# Altium PCB nPOC-BB_gamma_main-board.PcbDoc (part 1 of 3) (continued)
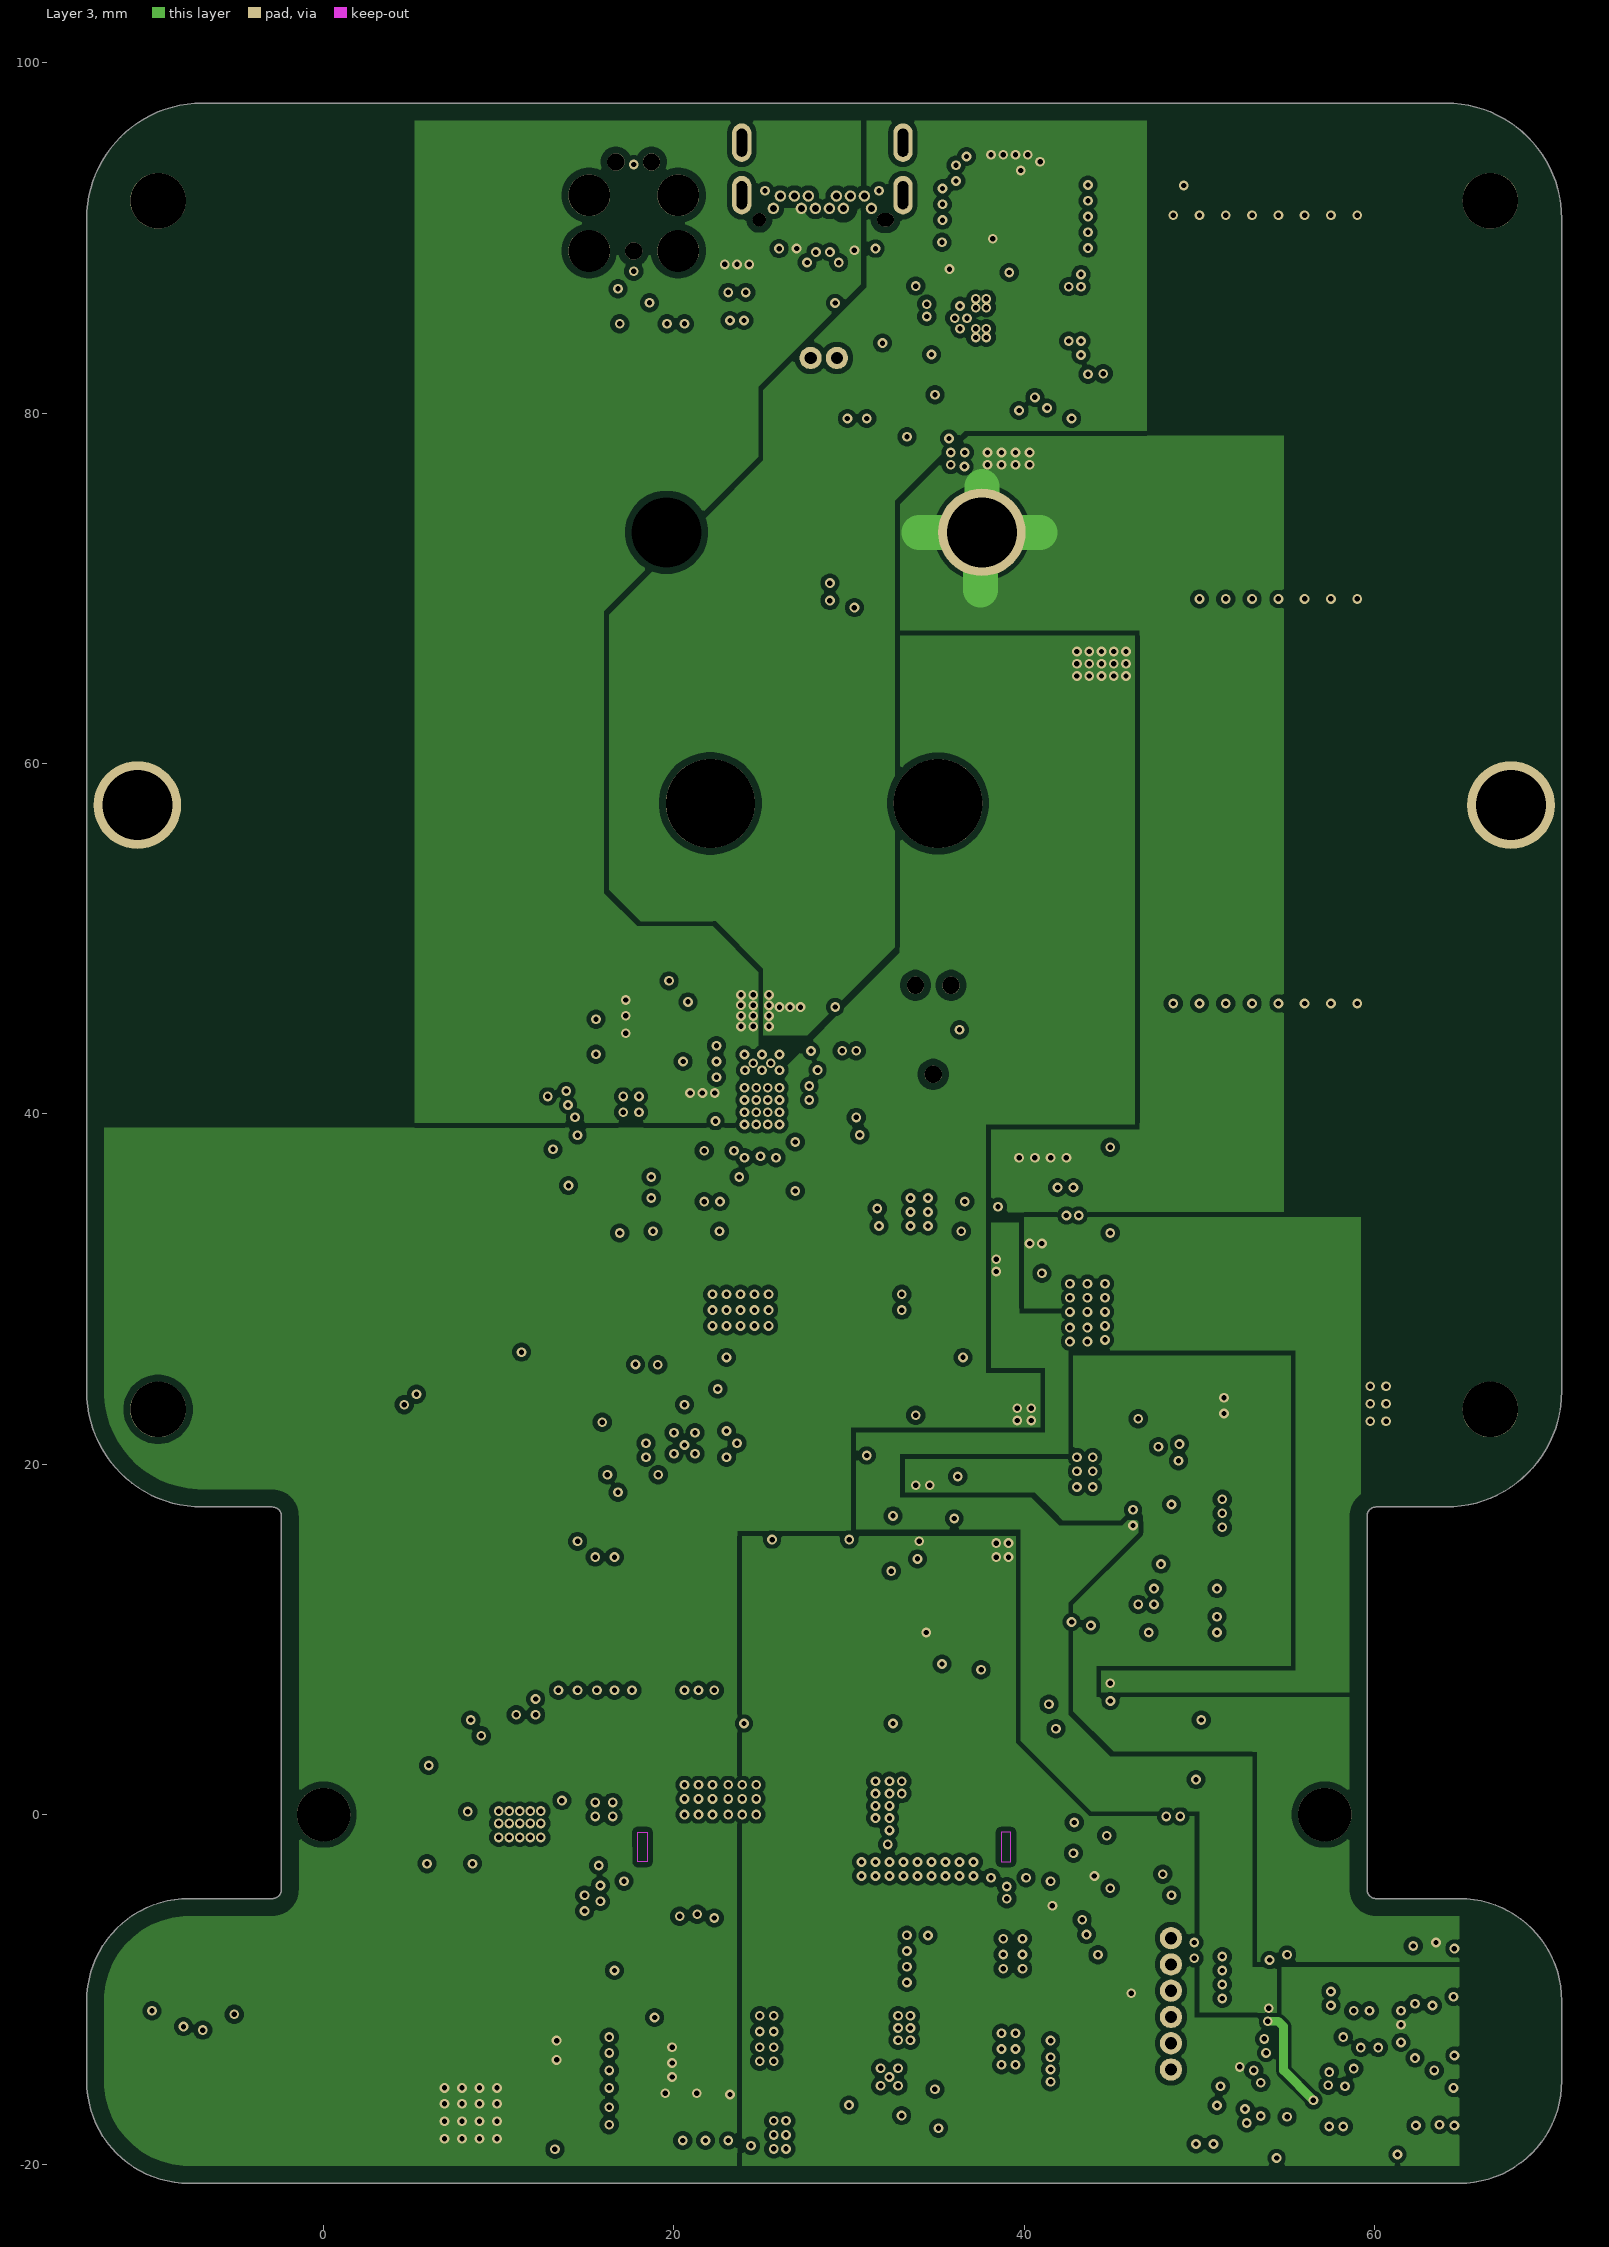
[diagram p3: Layer 3]
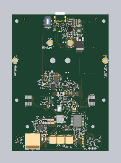
[diagram p6: 3D render of the assembled board from above, using the file's embedded part models]
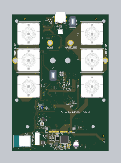
[diagram p7: 3D render of the assembled board from below, using the file's embedded part models]

## Layer stack, top to bottom
Top Solder Mask: solder mask 0.0232, SM-003, Dk 4
Top Layer: signal copper 0.035
Dielectric 2: prepreg 0.1104, PP-023, Dk 4.5
Layer 2: signal copper 0.035
Dielectric 1: prepreg 1.1676, PP-023, Dk 4.5
Layer 3: signal copper 0.035
Dielectric 3: prepreg 0.1104, PP-023, Dk 4.5
Bottom Layer: signal copper 0.035
Bottom Solder Mask: solder mask 0.0232, SM-003, Dk 4

## Board outline
-7.683,-21.046 cw(c-7.683,-15.204) -13.525,-15.204 -13.525,-10.632 cw(c-7.683,-10.632) -7.683,-4.79 -2.921,-4.79 ccw(c-2.921,-4.282) -2.413,-4.282 -2.413,17.054 ccw(c-2.921,17.054) -2.921,17.562 -6.921,17.562 cw(c-6.922,24.166) -13.525,24.166 -13.525,91.095 cw(c-6.922,91.095) -6.921,97.699 64.072,97.699 cw(c64.072,91.095) 70.675,91.095 70.675,24.166 cw(c64.071,24.166) 64.072,17.562 60.071,17.562 ccw(c60.071,17.054) 59.563,17.054 59.563,-4.282 ccw(c60.071,-4.282) 60.071,-4.79 64.834,-4.79 cw(c64.833,-10.632) 70.675,-10.632 70.675,-15.204 cw(c64.833,-15.204) 64.833,-21.046

## Design rules (kind name [scope] priority, off if disabled: settings)
BoardOutlineClearance [All] p1: gap=0.254 ignorepadtopadclearanceinfootprint=FALSE except(0: Arc-SplitContinuation Track-SplitContinuation SMDPad-SplitContinuation THPad-SplitContinuation Via-SplitContinuation Fill-SplitContinuation Poly-SplitContinuation Region-SplitContinuation Text-SplitContinuation; 0.381: Poly-CutoutEdge; 1: Arc-OutlineEdge Track-OutlineEdge SMDPad-OutlineEdge THPad-OutlineEdge Via-OutlineEdge Fill-OutlineEdge Poly-OutlineEdge Region-OutlineEdge Text-OutlineEdge)
Clearance [All] p1: gap=0.127 ignorepadtopadclearanceinfootprint=FALSE except(0.013: Arc-THPad Track-THPad SMDPad-THPad THPad-THPad; 0.1: Arc-SMDPad Track-SMDPad SMDPad-SMDPad; 0.15: Via-Via; 0.178: Arc-Text Arc-Hole Track-Text Track-Hole SMDPad-Text SMDPad-Hole THPad-Text THPad-Hole Via-Text; 0.2: Arc-Fill Arc-Poly Arc-Region Track-Fill Track-Poly Track-Region; 0.25: Via-Hole Text-Hole; 0.254: Text-Text; 0.3: THPad-Fill THPad-Poly THPad-Region Fill-Fill Fill-Poly Fill-Region Poly-Poly Poly-Region Region-Region; 0.381: Fill-Text Fill-Hole Poly-Text Poly-Hole Region-Text Region-Hole)
DiffPairsRouting DiffPairsRouting_100ohm [InDifferentialPair('DifferentialPair_100ohm') or InDifferentialPair('NewDifferentialPair3_100ohm') or InDifferentialPair('NewDifferentialPair_100ohm')] p1: maxlimit=0.254 minlimit=0.127 mostfreqgap=0.254 toplayer_maxgap=0.127 toplayer_prefgap=0.127 toplayer_minwidth=0.102 toplayer_maxwidth=0.102 toplayer_prefwidth=0.102 midlayer1_mingap=0.254 midlayer1_minwidth=0.381 midlayer1_maxwidth=0.381 midlayer1_prefwidth=0.381 midlayer2_mingap=0.254 midlayer2_minwidth=0.381 midlayer2_maxwidth=0.381 midlayer2_prefwidth=0.381 bottomlayer_maxgap=0.127 bottomlayer_prefgap=0.127 bottomlayer_minwidth=0.102 bottomlayer_maxwidth=0.102 bottomlayer_prefwidth=0.102 maxuncoupledlength=12.7
DiffPairsRouting DiffPairsRouting_90ohm [All] p2: maxlimit=0.127 minlimit=0.127 mostfreqgap=0.127 toplayer_minwidth=0.127 toplayer_maxwidth=0.127 toplayer_prefwidth=0.127 midlayer1_minwidth=0.127 midlayer1_maxwidth=0.127 midlayer1_prefwidth=0.127 midlayer2_minwidth=0.127 midlayer2_maxwidth=0.127 midlayer2_prefwidth=0.127 bottomlayer_minwidth=0.127 bottomlayer_maxwidth=0.127 bottomlayer_prefwidth=0.127 maxuncoupledlength=12.7
Height [All] p1: minheight=0 maxheight=200 prefheight=12.7
HoleSize [All] p1: absolutevalues=TRUE maxlimit=5.08 minlimit=0.025 maxpercent=80.000 minpercent=20.000
MinimumSolderMaskSliver [All] p1: minsoldermaskwidth=0.1
PolygonConnect PolygonConnect_5 [All vs IsNamedPolygon('NONET_L-01_P-001')] p1: thpad.connectstyle=Relief thpad.reliefconductorwidth=2 thpad.reliefentries=4 thpad.polygonreliefangle="90 Angle" thpad.airgapwidth=0.5 smdpad.connectstyle=Direct smdpad.reliefconductorwidth=0.254 smdpad.reliefentries=4 smdpad.polygonreliefangle="90 Angle" smdpad.airgapwidth=0.254 via.connectstyle=Direct via.reliefconductorwidth=0.254 via.reliefentries=4 via.polygonreliefangle="90 Angle" via.airgapwidth=0.254
PolygonConnect PolygonConnect_4 [All vs IsNamedPolygon('NONET_L-01_P-001')] p2: thpad.connectstyle=Relief thpad.reliefconductorwidth=0.254 thpad.reliefentries=4 thpad.polygonreliefangle="45 Angle" thpad.airgapwidth=0.254 smdpad.connectstyle=Direct smdpad.reliefconductorwidth=0.254 smdpad.reliefentries=4 smdpad.polygonreliefangle="90 Angle" smdpad.airgapwidth=0.254 via.connectstyle=Direct via.reliefconductorwidth=0.254 via.reliefentries=4 via.polygonreliefangle="90 Angle" via.airgapwidth=0.254
PolygonConnect PolygonConnect_3 [All vs IsNamedPolygon('direct')] p3: thpad.connectstyle=Relief thpad.reliefconductorwidth=0.254 thpad.reliefentries=4 thpad.polygonreliefangle="90 Angle" thpad.airgapwidth=0.254 smdpad.connectstyle=Direct smdpad.reliefconductorwidth=0.254 smdpad.reliefentries=4 smdpad.polygonreliefangle="90 Angle" smdpad.airgapwidth=0.254 via.connectstyle=Direct via.reliefconductorwidth=0.254 via.reliefentries=4 via.polygonreliefangle="90 Angle" via.airgapwidth=0.254
PolygonConnect direct_1 [All vs IsNamedPolygon('NONET_L-01_P-001')] p4: thpad.connectstyle=Relief thpad.reliefconductorwidth=0.254 thpad.reliefentries=4 thpad.polygonreliefangle="90 Angle" thpad.airgapwidth=0.254 smdpad.connectstyle=Direct smdpad.reliefconductorwidth=0.254 smdpad.reliefentries=4 smdpad.polygonreliefangle="90 Angle" smdpad.airgapwidth=0.254 via.connectstyle=Direct via.reliefconductorwidth=0.254 via.reliefentries=4 via.polygonreliefangle="90 Angle" via.airgapwidth=0.254
PolygonConnect direct [All vs IsNamedPolygon('NONET_L-01_P-001')] p5: thpad.connectstyle=Relief thpad.reliefconductorwidth=0.254 thpad.reliefentries=4 thpad.polygonreliefangle="90 Angle" thpad.airgapwidth=0.254 smdpad.connectstyle=Direct smdpad.reliefconductorwidth=0.254 smdpad.reliefentries=4 smdpad.polygonreliefangle="90 Angle" smdpad.airgapwidth=0.254 via.connectstyle=Direct via.reliefconductorwidth=0.254 via.reliefentries=4 via.polygonreliefangle="90 Angle" via.airgapwidth=0.254
PolygonConnect PolygonConnect_2 [All vs IsNamedPolygon('NONET_L-01_P-001')] p6: thpad.connectstyle=Relief thpad.reliefconductorwidth=0.254 thpad.reliefentries=4 thpad.polygonreliefangle="90 Angle" thpad.airgapwidth=0.254 smdpad.connectstyle=Direct smdpad.reliefconductorwidth=0.254 smdpad.reliefentries=4 smdpad.polygonreliefangle="90 Angle" smdpad.airgapwidth=0.254 via.connectstyle=Direct via.reliefconductorwidth=0.254 via.reliefentries=4 via.polygonreliefangle="90 Angle" via.airgapwidth=0.254
PolygonConnect PolygonConnect_1 [All vs IsNamedPolygon('GND_L02_P000')] p7: thpad.connectstyle=Relief thpad.reliefconductorwidth=0.254 thpad.reliefentries=4 thpad.polygonreliefangle="90 Angle" thpad.airgapwidth=0.254 smdpad.connectstyle=Relief smdpad.reliefconductorwidth=0.254 smdpad.reliefentries=4 smdpad.polygonreliefangle="90 Angle" smdpad.airgapwidth=0.254 via.connectstyle=Direct via.reliefconductorwidth=0.254 via.reliefentries=4 via.polygonreliefangle="90 Angle" via.airgapwidth=0.254
PolygonConnect [All] p8: connectstyle=Relief reliefconductorwidth=0.254 reliefentries=4 polygonreliefangle="90 Angle" airgapwidth=0.254
RoutingVias [All] p1: holewidth=0.305 width=0.559 viastyle="Through Hole" minholewidth=0.2 minwidth=0.4 maxholewidth=0.305 maxwidth=0.559
SilkToSilkClearance [All] p1: silktosilkclearance=0.102
SilkToSolderMaskClearance [IsPad] p1: minsilkscreentomaskgap=0.102 clearancetoexposedcopper=TRUE
SolderMaskExpansion [All] p1: expansion=0.064 istentingtop=FALSE
SupplyNets "Schematic Supply Nets" [InNet('VBAT_SW')] p1: voltage=0.000
SupplyNets "Schematic Supply Nets_5" [InNet('VBAT_MID')] p2: voltage=0.000
SupplyNets "Schematic Supply Nets_4" [InNet('3V3_FG_RTC')] p3: voltage=0.000
SupplyNets "Schematic Supply Nets_28" [InNet('3V3_PD')] p4: voltage=0.000
SupplyNets "Schematic Supply Nets_27" [InNet('GND_SNS_N')] p5: voltage=0.000
SupplyNets "Schematic Supply Nets_26" [InNet('3V3_R')] p6: voltage=0.000
SupplyNets "Schematic Supply Nets_24" [InNet('HEATER_PWR')] p7: voltage=0.000
SupplyNets "Schematic Supply Nets_23" [InNet('HEATER_CATHODE')] p8: voltage=0.000
SupplyNets "Schematic Supply Nets_22" [InNet('GND_CHG_DSG')] p9: voltage=0.000
SupplyNets "Schematic Supply Nets_21" [InNet('3V3_SW')] p10: voltage=0.000
SupplyNets "Schematic Supply Nets_20" [InNet('VBUS')] p11: voltage=0.000
SupplyNets "Schematic Supply Nets_19" [InNet('3V3_FLASH')] p12: voltage=0.000
SupplyNets "Schematic Supply Nets_18" [InNet('MOTOR_CATHODE')] p13: voltage=0.000
SupplyNets "Schematic Supply Nets_16" [InNet('BQ_IN')] p14: voltage=0.000
SupplyNets "Schematic Supply Nets_15" [InNet('BATT_GND')] p15: voltage=0.000
SupplyNets "Schematic Supply Nets_14" [InNet('VBAT')] p16: voltage=0.000
SupplyNets "Schematic Supply Nets_13" [InNet('3V3')] p17: voltage=0.000
SupplyNets "Schematic Supply Nets_11" [InNet('PD_LDO_1V5')] p18: voltage=0.000
SupplyNets "Schematic Supply Nets_10" [InNet('GND')] p19: voltage=0.000
SupplyNets "Schematic Supply Nets_8" [InNet('REGN')] p20: voltage=0.000
SupplyNets "Schematic Supply Nets_6" [InNet('5V')] p21: voltage=0.000
SupplyNets "Schematic Supply Nets_3" [InNet('PD_LDO_3V3')] p22: voltage=0.000
SupplyNets "Schematic Supply Nets_2" [InNet('VSYS')] p23: voltage=0.000
SupplyNets "Schematic Supply Nets_1" [InNet('VCC_MOTOR')] p24: voltage=0.000
Width [All] p1: maxlimit=2 minlimit=0.127 preferedwidth=0.152 minimp=50.000000 maximp=50.000000 favimp=50.000000
24 further rules are at their usual default settings.

## Classes and differential pairs
component class U_Peripherals: C4 C45 C46 C63 C64 C67 LED1 LED2 R12 R39 R48 R55 R57 R58 TP28 U3 U9 U14 Y2
component class "U_USB Circuitry": C42 C43 C44 C48 C49 C50 C51 C52 C53 C54 C55 C56 C57 C58 C59 C61 D2 D3 D4 J7 J8 Q6 R31 R35 R36 R37 R38 R40 R41 R42 R43 R44 R45 R46 R49 R50 SB1 TP24 TP25 TP27 U2 U8 U10 U12
component class U_MCU: C1 C2 C3 C16 C17 C47 C60 C80 J3 J4 MD1 R2 R3 R5 R6 R7 R8 R9 R10 R62 R63 R64 R65 R66 R67 R68 R69 SW1 TP1 TP2 TP3 TP4 TP5 TP6 TP7 TP12 TP13 TP14 TP15 U11 U17 Y1
component class "U_Battery and Charging": C5 C6 C7 C8 C9 C10 C11 C12 C13 C14 C15 C18 C19 C20 C21 C22 C23 C24 C25 C26 C27 C28 C29 C30 C86 C87 J9 L1 MNT1 MNT2 MNT3 MNT4 Q1 Q2 Q3 R4 R11 R13 R14 R15 R16 R17 R18 R19 R20 R21 R22 R23 R24 R25 R51 R52 SC1 SC2 SC3 SC4 SC5 SC6 U1 U4 U5 U6
component class "U_Power Supplies": C31 C32 C33 C34 C35 C36 C37 C38 C39 C40 C41 C62 C65 C66 C68 C69 C70 C71 C72 C73 C74 C75 C76 C77 C78 C79 C81 C82 C83 C84 C85 D1 D7 J1 J2 L2 L3 L4 Q4 Q5 R1 R26 R27 R28 R29 R30 R32 R33 R34 R54 R56 R59 R60 R61 R70 R71 R72 R73 R74 R75 R76 R77 TP11 TP18 TP19 TP20 TP21 TP22 TP23 TP29 U7 U13 U15 U16
differential pair USB_D: +USB_D_P -USB_D_N
differential pair USB_D_R: +USB_D_R_P -USB_D_R_N

## Components (designator, comment, footprint, x,y, rotation, side; value= is the part's Value field where it differs from the comment)
C1 "4.7uF" C0603 52.7,-12.3 r90 bottom
C2 "DNP" C0402 60.5,-18.9 r90 top
C3 "DNP" C0402 55.2,-18.9 r90 top
C4 "C0402_100n_16V_10pct" C0402 45.746,6.97 r270 bottom
C5 "C0402_47n_50V_10pct" C0402 36,89.754 r270 top
C6 "C0603_10u_25V_10pct" C0603 37.131,91.822 r0 top
C7 "C0603_10u_25V_10pct" C0603 38,93.554 r0 top
C8 "C0603_10u_25V_10pct" C0603 37.131,91.822 r0 bottom
C9 "C0603_10u_25V_10pct" C0603 38,93.554 r0 bottom
C10 "C0402_0u1_25V_10pct" C0402 37.6,89.054 r0 top
C11 "C0402_47n_50V_10pct" C0402 35.4,81.754 r0 top
C12 "C0603_10u_25V_10pct" C0603 41.731,93.022 r180 top
C13 "C0603_10u_25V_10pct" C0603 41.731,89.622 r180 top
C14 "C0603_10u_25V_10pct" C0603 41.731,91.322 r180 top
C15 "C0402_0u1_25V_10pct" C0402 40.331,86.522 r90 top
C16 "C0402_10u_6V3_20pct" C0402 54.9,-12.3 r90 top
C17 "C0402_10n_6V3_10pct" C0402 55.1,-16.3 r0 top
C18 "C0402_100n_16V_10pct" C0402 30.9,34.1 r90 top
C19 "C0402_1u_10V_10pct" C0402 40.3,36.3 r90 top value=1uF
C20 "C0603_10u_25V_10pct" C0603 41.9,81.954 r180 top
C21 "C0402_0u1_25V_10pct" C0402 40.331,84.322 r270 top
C22 "C0402_1u_10V_10pct" C0402 41,33.7 r180 top value=1uF
C23 "C0402_4u7_10V_20pct" C0402 34.5,89.754 r270 top
C24 "C0603_10u_25V_10pct" C0603 37.5,80.354 r0 top
C25 "C0603_10u_25V_10pct" C0603 37.5,78.654 r0 top
C26 "C0402_0u1_25V_10pct" C0402 38.031,81.822 r0 top
C27 "C0402_1n_50V_10pct" C0402 39.7,81.354 r90 top
C28 "C0402_470n_6V3_10pct" C0402 38,33.9 r180 top
C29 "C0402_0u1_16V_10pct" C0402 33.1,22 r180 top value=100nF
C30 "C0402_0u1_16V_10pct" C0402 31,21.8 r90 top value=100nF
C31 "0.1uF" C0402 12.1,-3.5 r0 top value=100nF
C32 "C1206_22u_16C_10pct" C1206 14.2,-7.5 r180 top value=22uF
C33 "0.1uF" C0402 14.2,-3.5 r0 top value=100nF
C34 "20SVPF56MX" cap_panasonic_svpf_code-b6 14.8,-15.6 r270 bottom value=56uF
C35 "C1210_47u_16V_10pct" C1210 14.3,-10.8 r180 top value=47uF
C36 "4.7uF" C0402 7.1,-1.1 r270 top
C37 "C0402_91p_50V_5pct" C0402 7.2,2.8 r0 top value=91pF
C38 "C0402_12n_16V_10pct" C0402 7.2,5.4 r180 top value=12nF
C39 "TAJV686M035RNJ" C7361-38 36.395,-11.18 r270 top value=68uF
C40 "C0805_22u_35V_20pct" c0805 42.3,-8 r180 bottom value=22uF
C41 "C0603_1u_25V_10pct" C0603 11.3,4.3 r0 top
C42 "1uF" C0603 15.551,46.506 r0 top
C43 "10uF" C0402 15.751,40.106 r0 top
C44 "C0402_1u_6V3_10pct" C0402 13.1,36.4 r90 top
C45 "C0402_10n_6V3_10pct" C0402 -9.3,-12 r180 bottom
C46 "C0402 Footprint" C0402 -5.6,-12.3 r0 top
C47 "0.1uF" C0402 43.346,-1.207 r0 bottom
C48 "C0402_10u_10V_20pct" C0402 20.822,38.395 r90 top
C49 "C0402_10n_35V_10pct" C0402 26.1,88.594 r0 top value=10nF
C50 "C0402_10n_35V_10pct" C0402 31,88.5 r180 top value=10nF
C51 "C0402_10n_35V_10pct" C0402 30.6,90.094 r180 top value=10nF
C52 "C0402_10n_35V_10pct" C0402 26.8,90.194 r0 top value=10nF
C53 "C0402_10u_10V_20pct" C0402 22.523,38.295 r270 bottom
C54 "C0402_10u_10V_20pct" C0402 25.322,38.395 r0 bottom
C55 "C0402_330p_50V_10pct" C0402 21.049,42.288 r0 top value=330pF
C56 "C0402_330p_50V_10pct" C0402 21.049,43.788 r0 top value=330pF
C57 "C0805_22u_25V_20pct" c0805 27.423,44.995 r180 bottom
C58 "C0805_22u_25V_20pct" c0805 27.423,47.295 r180 bottom
C59 "C0402_0u1_25V_10pct" C0402 27.722,45.095 r180 top
C60 "1uF" C0402 43.346,-1.207 r0 top
C61 "C0402_0u1_25V_10pct" C0402 21.1,33.3 r0 bottom
C62 "C1206_22u_16C_10pct" C1206 16.1,4.5 r270 top value=22uF
C63 "0.1uF" C0402 18.4,18.5 r0 bottom
C64 "1uF" C0402 20.4,19.7 r180 bottom
C65 "C1206_22u_16C_10pct" C1206 14,4.5 r270 top value=22uF
C66 "C0402_8n2_16V_10pct" C0402 14.6,-1.3 r270 top value=8.2nF
C67 "N/A" C0603 18.5,18.2 r180 top value=.1uF
C68 "C0402_1u_6V3_10pct" C0402 34.8,15.1 r90 top
C69 "10uF" C0603 22.195,-16.68 r90 bottom
C70 "C0805_4u7_50V_10pct" c0805 34.795,-10.88 r90 bottom value=4.7uF
C71 "C0805_4u7_50V_10pct" c0805 37.195,-10.88 r90 bottom value=4.7uF
C72 "100nF" C0603 17.9,-10.8 r90 top
C73 "1uF" C0603 36.695,-15.18 r180 bottom
C74 "C0805_0u1_25V_10pct" c0805 24.495,-16.78 r90 bottom
C75 "C0402_10n_35V_10pct" C0402 28.695,-16.28 r0 bottom value=10nF
C76 "C0402_300p_50V_5pct" C0402 31.5,-18 r90 bottom value=300pF
C77 "12nF" C0402 30.295,-17.98 r90 bottom
C78 "TAJV686M035RNJ" C7361-38 28.995,-11.18 r270 top value=68uF
C79 "TAJV686M035RNJ" C7361-38 22.195,-11.18 r270 top value=68uF
C80 "C0402_1u_6V3_10pct" C0402 44,-4.7 r90 top
C81 "C1210_47u_16V_10pct" C1210 22,4.5 r270 top value=47uF
C82 "C1210_47u_16V_10pct" C1210 18.8,4.5 r270 top value=47uF
C83 "C0805_4u7_16V_10pct" c0805 41,21.1 r180 top value=4.7uF
C84 "C0603_22u_6V3_20pct" C0603 40.7,13.4 r180 top
C85 "10uF" C0603 20.4,-16.7 r90 bottom
C86 "C0603_10u_25V_10pct" C0603 41.3,78.6 r270 top
C87 "C0402_100n_16V_10pct" C0402 43.2,80.4 r180 top
D1 "MMSZ5254BT1G" sod123 42.7,-8.7 r90 top
D2 "SS1020FL_R1_00001" sod-123fl_AK 21.322,46.495 r180 top
D3 "TVS2200DRVR" dfn7_2x2_p65mm 23.6,86.894 r0 top
D4 "TPD4E02B04DQAR" dfn10_1p1x2p6_p5mm 29.2,87.369 r270 bottom
D7 "B240AE-13" sma 30.895,-9.68 r270 bottom
J1 "B6B-ZR" jst-b6b-zr 48.37,-7.05 r270 bottom locked
J2 "54132-4097" molex_54132-4097 28.575,-2.148 r0 bottom locked
J3 "TC2030-FP-LEGS" tc2030-ctx 17.7,91.8 r90 top
J4 "TC2030-FP-LEGS" tc2030-ctx 17.7,91.8 r90 bottom
J7 "DX07S024XJ1R1100" USB_JAE_DX07S024XJ1R1100 24.87,91.044 r0 bottom locked
J8 "EEPROM" tc2030-mcp-nl 34.8,44.8 r90 bottom locked
J9 "B2B-ZR" jst-b2b-zr 29.3,83.15 r180 bottom locked
L1 "0530CDMCCDS-2R2MC" ind2_5p4x5p2mm 44.931,85.722 r270 top value=2.2uH
L2 "IHLP5050CEER4R7M01" ind2_vishay_ihlp5050ce 4.5,-12.8 r90 top value=4.7uH
L3 "DFE252012PD-2R2M=P2" ind2_2520 40.9,15.5 r180 top
L4 "78404064015" ind2_wurth_78404064015 25.195,-11.08 r0 bottom value=1.5uH
LED1 "AAAF5060QBFSURZGS" led6_smt_5x6mm 0.85,22.8 r90 top locked
LED2 "AAAF5060QBFSURZGS" led6_smt_5x6mm 56.25,22.8 r90 top locked
MD1 "BMD-340-A-R" BMD-340-A-R 61.7,-12.7 r90 bottom locked
MNT1 "Banana Plug Hole" conn_wire-1_4mm 67.78,57.63 r0 top
MNT2 "SOLDER HOLE 10AWG" conn_wire-1#1 37.575,73.2 r0 top locked
MNT3 "SOLDER HOLE 10AWG" conn_wire-1#2 19.575,73.2 r0 top locked
MNT4 "Banana Plug Hole" conn_wire-1_4mm -10.63,57.63 r0 top
Q1 "CSD17577Q3AT" dfn8_3p1x3p25_p65mm 35.4,29.2 r0 top
Q2 "CSD17577Q3AT" dfn8_3p1x3p25_p65mm 40,29.2 r180 top
Q3 "AOD4185" TO-252 45.9,71.6 r180 top
Q4 "AON7524" dfn8_3x3_p65mm_fet 43.7,-14.054 r90 bottom
Q5 "AON7524" dfn8_3x3_p65mm_fet 34.4,-0.729 r270 top
Q6 "FDG6321C" SOT-363 44.2,16.5 r180 bottom
R1 "0R" R0402 28.695,-15.08 r0 bottom
R2 "R0603_0R" R0603 52.7,-12.6 r90 top
R3 "100k" R0402 34.4,9.1 r90 top
R4 "R0402_100k_1pct" R0402 45.3,79.1 r180 top
R5 "R0402_4k7_1pct" R0402 17.1,20.2 r180 bottom
R6 "R0402_4k7_1pct" R0402 17.1,21.5 r180 bottom
R7 "R0402_4k7_1pct" R0402 62.8,-13 r0 top
R8 "R0402_4k7_1pct" R0402 63.2,-8.5 r0 top
R9 "27R" R0402 52.6,-8.7 r0 bottom
R10 "27R" R0402 52.6,-9.9 r0 bottom
R11 "22k" R0402 45.3,80.4 r0 top
R12 "R0402_0R" R0402 40.6,5.8 r90 bottom
R13 "R0402_200k_0.1pct" R0402 35.9,31.7 r180 top value=200kR
R14 "R0402_100R_1pct" R0402 33.8,80.654 r90 top value=100R
R15 "R0402_330k_0p1pct" R0402 38,32.6 r0 top value=330kR
R16 "R0402_0R" R0402 32.6,81.354 r90 top
R17 "R0402_100k_1pct" R0402 33.8,83.454 r270 top
R18 "NCU18XH103F6SRB" R0603 44.9,35.7 r90 bottom value=10kR
R19 "R0402_100k_1pct" R0402 32.6,83.454 r270 top
R20 "R0402_0R" R0402 32.6,79.254 r90 top
R21 "R0402_470R_1pct" R0402 33.1,20.8 r180 top
R22 "R0402_8k2_1pct" R0402 35,79.754 r90 top value=8.2kR
R23 "R0402_4k7_1pct" R0402 62.8,-11.8 r180 top
R24 "R0402_470R_1pct" R0402 29.7,21.8 r90 top
R25 "R0402_2k_1pct" R0402 29.9,25.2 r90 top
R26 "R0402_10k_1pct" R0402 7.1,-2.8 r180 top
R27 "R0402_10k_1pct" R0402 42.3,-13.729 r270 top
R28 "R0402_10k_1pct" R0402 46.1,-4.4 r180 top
R29 "R0402_10k_1pct" R0402 45.4,-9 r270 top
R30 "0402 Footprint" R0402 46.1,-3.2 r0 top
R31 "R0402_150k_1pct" R0402 47,17 r270 bottom value=150kR
R32 "R0402_332k_1pct" R0402 30.895,-16.88 r90 top value=332kR
R33 "R0402_100k_1pct" R0402 30.9,-1.054 r180 top
R34 "24.9k" R0402 33.3,-18.1 r0 bottom value=24.9kR
R35 "R0402_4k7_1pct" R0402 17.4,36.6 r180 top
R36 "R0402_4k7_1pct" R0402 17.4,35.3 r180 top
R37 "1M" R0402 41.8,16 r270 bottom value=1MR
R38 "100k" R0402 12.8,39.8 r90 top
R39 "R0402_0R" R0402 -5.6,-13.6 r0 top
R40 "47k" R0402 47,14.8 r90 bottom
R41 "R0402_10k_1pct" R0402 22.922,36.195 r270 bottom
R42 "R0402_10k_1pct" R0402 24.923,36.195 r270 bottom
R43 "R0402_10k_1pct" R0402 17.4,34 r0 top
R44 "R0402_10k_1pct" R0402 29.222,34.995 r270 top
R45 "R0402_10k_1pct" R0402 28.022,34.995 r270 top
R46 "R0402_10k_1pct" R0402 26.822,36.895 r270 top
R48 "R0402_10k_1pct" R0402 21.2,24.3 r0 top
R49 "R0402_10k_1pct" R0402 21.722,36.195 r90 bottom
R50 "R0402_10k_1pct" R0402 26.122,36.195 r90 bottom
R51 "R0402_470k_0p1pct" R0402 39,36.3 r90 top value=470kR
R52 "R2010_10m_1pct" R2010_alt 29.1,29 r0 top value=10mR
R54 "R0402_267k_1pct" R0402 9.9,-3.8 r270 top value=267kR
R55 "DNP" R0402 17.1,22 r180 top
R56 "R0402_36k5_1pct" R0402 7.2,4.1 r0 top value=36.5kR
R57 "100k" R0402 17.776,24.354 r270 top
R58 "100k" R0402 19.076,24.354 r90 top
R59 "R0402_10k_1pct" R0402 31.5,16.554 r90 top
R60 "3.4k" R0402 28.695,-18.68 r0 bottom value=3.4kR
R61 "R0402_14k5_1pct" R0402 28.695,-17.48 r0 bottom value=14.5kR
R62 "R0402_10k_1pct" R0402 50.6,3.3 r90 top
R63 "0R" R0402 50.5,6.8 r90 top
R64 "0R" R0402 40,-1.7 r90 top
R65 "0R" R0402 41.3,-1.7 r90 top
R66 "0R" R0402 50.5,9 r90 top
R67 "0R" R0402 40.8,11.7 r180 top
R68 "0R" R0402 50.6,0.9 r90 top
R69 "100k" R0402 42.5,-4.7 r90 top
R70 "R0402_50k_1pct" R0402 7.1,1.1 r90 top value=50kR
R71 "R0402_680k_1pct" R0402 10.7,2.8 r0 top value=680kR
R72 "R0402_0R" R0402 14.6,0.8 r90 top
R73 "R0402_105k_1pct" R0402 9,3.3 r270 top value=105kR
R74 "R0402_0R" R0402 37.9,21.1 r90 top
R75 "R0402_619k_1pct" R0402 38.2,17.1 r270 top value=619kR
R76 "R0402_137k_1pct" R0402 36.9,17.1 r90 top value=137kR
R77 "R0402_0R" R0402 37.4,19.3 r0 top
SB1 "Solder Bridge Jumper" Solder-Bridge 44.2,14.4 r180 bottom